# Altium PCB RS2-708_V010.PcbDoc (part 4 of 4) (continued)
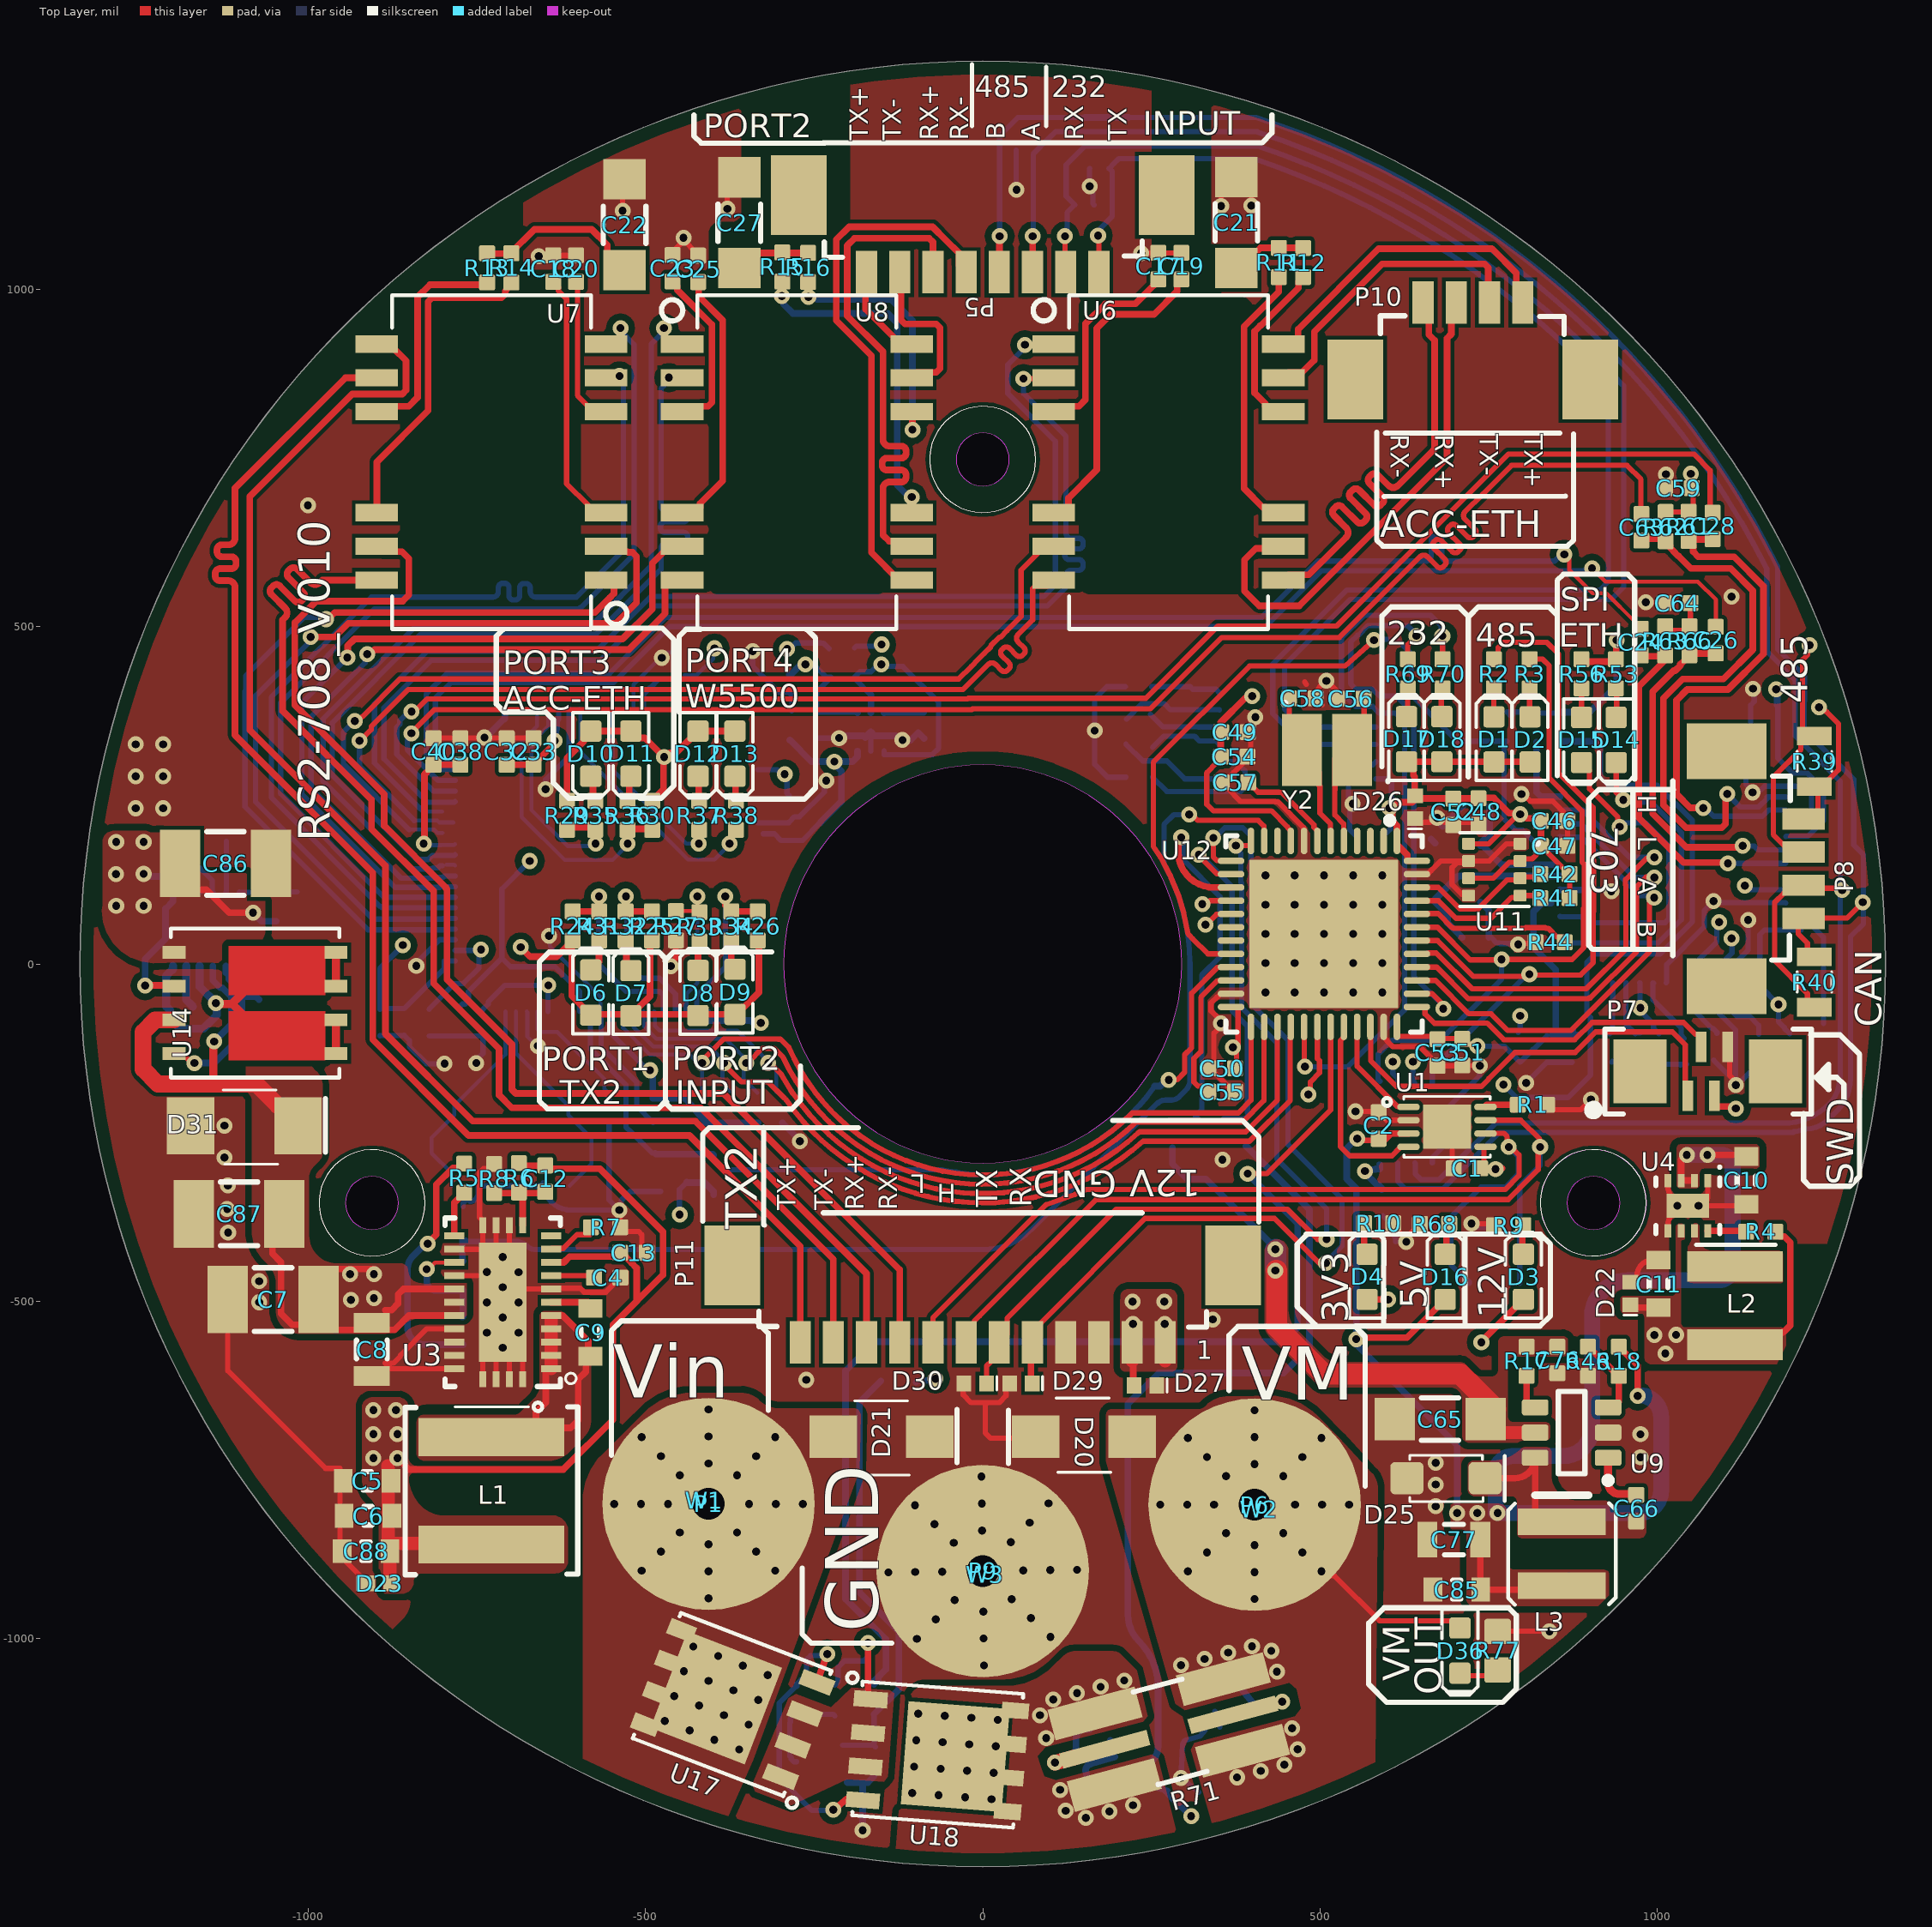
[diagram p0: Top Layer view]
## Polygon pours and split planes (outlines as drawn) (continued)
GND on Top Layer "TOP_GND_3v3-reg" (solid, remove dead copper, pour order 137): 1020.87,-454.3 cw(c1014.77,-454.3) 1014.77,-460.39 981.93,-460.39 ccw(c981.93,-466.21) 976.12,-466.21 976.12,-480.61 cw(c972.08,-480.61) 972.08,-484.65 948.84,-484.65 cw(c948.84,-481.62) 945.8,-481.62 945.8,-459.38 cw(c948.58,-459.38) 948.58,-456.61 962.73,-456.61 ccw(c962.73,-451.05) 968.29,-451.05 968.29,-434.63 cw(c979.4,-434.63) 979.4,-423.51 999.39,-423.51 ccw(c999.39,-415.27) 1007.63,-415.27 1007.59,-406.79 1007.59,-311.57 cw(c1010.84,-311.57) 1010.84,-308.33 1017.1,-308.33 cw(c1017.1,-314.2) 1022.97,-314.2 1022.97,-336.49 ccw(c1027.43,-336.49) 1027.43,-340.95 1063.78,-340.95 ccw(c1063.78,-337.34) 1067.39,-337.34 1067.39,-313.18 cw(c1070.86,-313.17) 1070.85,-309.7 1071.89,-309.7 1079.59,-309.7 cw(c1079.59,-313.09) 1082.98,-313.09 1082.98,-333.93 ccw(c1089.25,-333.93) 1089.25,-340.2 1106.21,-340.2 1148.15,-340.2 cw(c1148.15,-342.64) 1150.6,-342.65 1150.6,-372.89 cw(c1146.85,-372.89) 1146.84,-376.64 1124.74,-376.63 1032.17,-376.63 1030.33,-376.63 ccw(c1030.33,-386.09) 1020.87,-386.09
NetL2_1 on Top Layer "TOP_3v3-SW_LX" (solid, remove dead copper, pour order 135): 1048.77,-473.14 1182.94,-473.14 ccw(c1182.94,-468.42) 1187.66,-468.42 1187.66,-426.95 ccw(c1185.65,-426.95) 1185.65,-424.94 1080.32,-424.94 cw(c1080.36,-407.13) 1062.55,-407.1 1062.55,-387.8 ccw(c1058.93,-387.8) 1058.93,-384.18 1051.82,-384.18 ccw(c1051.82,-387.68) 1048.31,-387.68 1048.39,-392.18 1048.39,-413.96 cw(c1043.78,-413.96) 1047.04,-417.22 ccw(c1053.91,-424.09) 1044.19,-424.09 1044.19,-468.93 ccw(c1048.34,-468.62) 1048.65,-472.77 ccw(c1054.54,-470.99)
NetC9_1 on Top Layer "TOP_12V-SW_Regout" (solid, remove dead copper, pour order 130): -626.94,-514.59 cw(c-626.94,-523.53) -620.62,-517.21 -586.03,-551.8 cw(c-598.97,-564.85) -580.59,-564.77 -580.59,-674.1 cw(c-622.13,-674.02) -592.82,-703.45 -613.26,-723.89 cw(c-643.56,-693.59) -643.56,-736.44 -827.72,-736.44 cw(c-827.72,-724.63) -839.54,-724.63 -839.54,-680.88 cw(c-827.91,-679.93) -835.57,-671.13 cw(c-828.41,-679.09) -827.84,-668.4 -696.83,-668.4 ccw(c-696.83,-650.85) -684.42,-663.26 -664.67,-643.51 ccw(c-683.6,-624.58) -656.83,-624.58 -656.83,-521.44 cw(c-649.98,-521.44) -649.98,-514.59
GND on Top Layer "TOP_GND_12v-regIN-out" (solid, remove dead copper, pour order 128): -826.17,-534.95 -769.77,-534.95 cw(c-769.77,-538.09) -766.63,-538.09 -766.63,-615.38 cw(c-779.64,-615.38) -779.64,-628.39 -913.58,-628.39 ccw(c-913.58,-645.08) -930.27,-645.08 -930.27,-863.85 -930.23,-863.85 -930.23,-875 ccw(c-928.08,-875) -929.6,-876.51 -903.68,-902.44 cw(c-911.97,-910.73) -900.24,-910.73 -900.24,-929.77 cw(c-902.21,-929.77) -902.21,-931.73 -920.07,-931.73 cw(c-920.07,-923.91) -925.61,-929.44 -959.67,-895.37 cw(c-947.1,-882.8) -964.88,-882.8 -964.88,-798.02 ccw(c-1031.3,-798.02) -984.33,-751.05 -1184.81,-550.57 cw(c-1114.1,-479.86) -1214.1,-479.86 -1214.1,-201.75 cw(c-1204.29,-201.75) -1204.29,-191.93 -1166.81,-191.93 ccw(c-1166.81,-168.03) -1149.91,-184.93 cw(c-1129.06,-205.78) -1129.06,-176.3 -1120.84,-176.3 cw(c-1120.84,-190.64) -1110.7,-180.5 cw(c-1120.84,-190.64) -1106.5,-190.64 -1106.5,-398.24 ccw(c-1062.36,-398.24) -1093.57,-429.46 -1067.76,-455.27 cw(c-1084.62,-472.12) -1060.78,-472.12 -1060.78,-529.6 ccw(c-1031.51,-529.6) -1031.51,-558.87 -889.69,-558.87 ccw(c-889.69,-507.1) -853.08,-543.71 cw(c-832.65,-564.14) -832.65,-535.24 -794.9,-535.24
GND on Top Layer "TOP_GND_5VregSingle pointgGND" (solid, remove dead copper, pour order 124): 574.65,-709.34 ccw(c586.46,-709.34) 586.46,-721.16 cw(c586.46,-737.02) 602.32,-737.02 602.32,-938.88 ccw(c616.76,-939.02) 616.62,-953.46 628.4,-953.37 674.91,-953.37 ccw(c674.91,-944.46) 683.83,-944.46 683.83,-650.59 ccw(c668.75,-650.59) 668.75,-635.51 586.22,-635.51 ccw(c586.22,-647.09) 574.65,-647.09
5V on Top Layer "TOP_5Vreg-5vout" (solid, remove dead copper, pour order 127): 690.73,-831.84 ccw(c697.38,-831.84) 697.38,-838.49 710.53,-838.49 cw(c710.53,-845.13) 717.17,-845.13 717.17,-940.12 ccw(c728.89,-940.25) 728.75,-951.96 922.31,-951.96 ccw(c922.31,-945.52) 928.75,-945.52 928.75,-905.03 ccw(c921.85,-905.03) 921.85,-898.12 788,-898.12 cw(c788.01,-887.48) 777.36,-887.48 777.36,-811.83 ccw(c765.82,-811.83) 765.82,-800.29 698.9,-800.29 ccw(c698.9,-808.46) 690.73,-808.46
GND on Top Layer "TOP_GND_5vregin" (solid, remove dead copper, pour order 123): 897.89,-630.39 cw(c903.62,-630.39) 903.62,-624.65 906.55,-624.65 ccw(c906.59,-619.68) 911.57,-619.72 911.57,-598.6 ccw(c906.1,-598.6) 906.1,-593.12 842.57,-593.12 ccw(c842.57,-598.6) 837.1,-598.6 837.1,-618.93 ccw(c842.38,-618.93) 842.38,-624.2 862.12,-624.2 cw(c862.12,-630.85) 868.76,-630.85 868.76,-704.37 ccw(c876.08,-704.37) 876.08,-711.69 933.21,-711.79 949.48,-711.79 cw(c949.48,-719.05) 956.74,-719.05 956.74,-739.28 ccw(c965.55,-739.28) 965.55,-748.09 983.7,-748.09 ccw(c983.71,-737.98) 993.82,-737.98 993.82,-695.46 ccw(c980.07,-695.45) 980.93,-681.74 915.28,-681.74 905.77,-681.74 cw(c905.77,-673.85) 897.89,-673.85
SW_5V on Top Layer "TOP_SW-5V_Reg" (solid, remove dead copper, pour order 121): 783.43,-789.2 cw(c783.43,-798.53) 792.76,-798.53 792.76,-843.89 ccw(c800.47,-844.08) 800.28,-851.79 973.09,-851.79 ccw(c973.09,-841.03) 983.86,-841.03 983.86,-820.04 ccw(c977.4,-820.04) 977.4,-813.59 933.49,-813.59 cw(c933.56,-809.78) 929.75,-809.71 929.75,-801.33 ccw(c923.85,-801.33) 923.85,-795.43 880.16,-795.43 cw(c880.16,-758.51) 854.05,-784.62 cw(c880.16,-758.51) 843.24,-758.51 843.24,-723.99 ccw(c835.7,-723.99) 835.7,-716.46 804.48,-716.46 ccw(c804.48,-726.52) 797.36,-719.4 cw(c756.22,-678.27) 756.22,-736.44 727.56,-736.44 ccw(c727.56,-744.64) 719.37,-744.64 719.37,-778.72 ccw(c729.85,-778.72) 729.85,-789.2
GND on Bottom Layer "TOP_GND-Cu-Pour" (solid, remove dead copper, pour order 162): 369.93,1286.45 347.96,1286.45 ccw(c347.96,1277.44) 338.95,1277.44 338.95,1002.05 ccw(c350.13,1002.05) 350.13,990.88 379.66,990.88 cw(c379.66,968.53) 402.01,968.53 402.01,561.43 cw(c388.44,561.43) 388.44,547.86 158.55,547.86 cw(c158.55,564.63) 141.79,564.63 141.79,973.31 cw(c162.5,973.31) 162.5,994.02 238.62,994.02 ccw(c238.62,1005.28) 249.88,1005.28 249.88,1299.65 ccw(c231.38,1299.89) 231.62,1318.39 ccw(c0,0.01) 0,1338.58 ccw(c0,0.06) -177.47,1326.77 ccw(c-177.47,1308.21) -196.02,1308.21 -196.02,985.48 ccw(c-182.52,985.48) -182.52,971.98 -155.51,971.98 cw(c-155.51,956.23) -139.76,956.23 -139.76,566.18 cw(c-158.51,566.18) -158.51,547.43 -391.79,547.43 cw(c-391.79,562.43) -406.8,562.43 -406.8,1083.08 cw(c-389.37,1083.08) -389.37,1100.51 -372.84,1100.51 ccw(c-372.84,1115.13) -358.22,1115.13 -358.22,1279.74 ccw(c-366,1279.82) -365.92,1287.6 ccw(c-0.01,0.02) -673.72,1156.68 ccw(c-656.28,1139.23) -680.95,1139.23 -680.95,1044.75 ccw(c-665.99,1044.75) -665.99,1029.79 -606.98,1029.79 cw(c-606.98,1018.16) -595.35,1018.16 -595.35,556.91 cw(c-614.46,556.91) -614.46,537.79 -851.32,537.79 cw(c-851.32,551.09) -864.62,551.09 -864.62,1016.49 ccw(c-867.53,1016.46) -867.57,1019.38 ccw(c0,0) -1338.58,0 ccw(c0,0) -889.37,-1000.42 -861.14,-972.19 ccw(c-892.77,-940.55) -848.03,-940.55 -848.03,-679.56 cw(c-818.72,-679.56) -839.45,-658.84 cw(c-825.92,-672.37) -825.92,-653.24 -633.33,-653.24 cw(c-633.33,-673.3) -613.27,-673.3 -613.27,-1165.95 ccw(c-571.33,-1166.69) -601.52,-1195.82 ccw(c0,0) 0,-1338.58 ccw(c0,0) 912.55,-979.31 896.56,-963.32 ccw(c877.53,-982.35) 877.52,-955.43 800.77,-955.43 cw(c800.77,-944.2) 789.53,-944.2 789.53,-808.62 cw(c802.09,-808.62) 802.09,-796.06 1061.43,-796.06 ccw(c1062.02,-767.13) 1082.06,-788 ccw(c0.03,-0.02) 1202.03,-589.01 ccw(c1198.53,-592.51) 1198.53,-587.56 1047.96,-587.56 cw(c1047.96,-579.91) 1040.31,-579.91 1040.31,-422.72 cw(c1048.3,-422.72) 1048.3,-414.74 1248.72,-414.74 ccw(c1249.1,-375.93) 1276.27,-403.64 ccw(c0.02,0) 1338.58,0 ccw(c0,0)
V_IN on Bottom Layer "BTM_VM-IN_PreProtection" (solid, remove dead copper, pour order 138): -688.05,-984.21 -677.29,-991.11 -671.76,-994.33 -669.16,-995.63 -665.04,-996.82 -660.13,-997.55 -650.02,-998.01 -640.74,-998.01 ccw(c-640.72,-938.2) -580.91,-938.22 -580.91,-730.01 cw(c-480.91,-730.01) -480.91,-630.01 -405.86,-630.01 -405.89,-629.96 -346.74,-629.96 cw(c-346.74,-729.96) -246.74,-729.96 -246.74,-852.32 cw(c-346.74,-852.32) -276.03,-923.03 ccw(c-219.05,-980.02) -299.64,-980.02 -299.64,-1058.6 -299.59,-1058.6 -350.73,-1192.03 -384.02,-1283.89 -492.52,-1246.04 -585.01,-1204.67 -685.31,-1152.37 -776.63,-1091.88 -830.88,-1050.12 -896.83,-994.31 -978.4,-917.82 -1062.31,-819.86 -1120.07,-734.78 -1167.29,-656.73 -1228.56,-535.36 -1287.1,-376.91 -1311.3,-279.34 -1334.71,-116.21 -1338.58,0 -1335.89,78.15 -1324.57,198.74 -1324.57,201.08 -1221.15,201.08 cw(c-1221.15,169.08) -1189.14,169.08 -1194.61,122.54 -1197.54,88.17 -1200.38,39.22 -1200.91,-7.33 -1199.63,-51.24 -1195.99,-108.08 -1188.95,-170.37 -1177.98,-233.62 -1165.67,-288.72 -1144.07,-364.41 -1130.14,-405.87 -1114.77,-446.51 -1093.17,-497.22 -1075.59,-534.5 -1055.23,-573.22 -1037.37,-604.72 -1018.76,-636.06 -1008.12,-652.32 -991.8,-676.92 -973.13,-703.19 -956.88,-725.33 -942.97,-743.7 -917.62,-774.87 -901.55,-793.28 -883.55,-813.21 -862.49,-835.51 -834.84,-863.21 -811.43,-885.31 -777.28,-915.8 -747.08,-939.99 -720.45,-960.63 -693.76,-980.28
NetR71_1 on Bottom Layer "BTM_NetR71_1_PWR-FetSwitch" (solid, remove dead copper, pour order 141): 127.68,-1148.29 123.46,-1157.16 111.14,-1161.01 91.89,-1166.02 84.58,-1180.07 88.81,-1198.17 101.33,-1207.79 120.05,-1202.16 135.14,-1205.93 143.63,-1237.09 157.62,-1244.7 224.14,-1227.29 245.24,-1236.15 255.12,-1266.48 249.59,-1280.42 162.24,-1305.37 -110.06,-1283.74 -131.57,-1254.27 -120.69,-1098.39 -120.83,-1098.38 -90.64,-1074.4 11.37,-1081.56 190.2,-1031.64 216.09,-1024.91 226.39,-1032.46 236.56,-1069.11 229.35,-1082.06 128.82,-1111.06 121.91,-1127.12
5V on Bottom Layer "BTM_5V_Reg out" (solid, remove dead copper, pour order 155): 691.89,-813.06 691.89,-829.5 ccw(c702.21,-829.5) 702.21,-839.82 774.48,-839.82 ccw(c774.48,-829.08) 785.23,-829.08 785.23,-797.47 ccw(c777.22,-797.47) 777.22,-789.46 701.58,-789.46 ccw(c701.58,-798.95) 692.1,-798.95
12V on Bottom Layer "BTM_12V_RegOUT" (solid, remove dead copper, pour order 151): 206.51,-550.33 cw(c206.51,-524.47) 188.23,-542.75 186.27,-540.79 ccw(c170,-557.06) 170,-534.06 -439.29,-534.06 ccw(c-439.29,-564.94) -461.12,-543.1 -597.36,-679.34 cw(c-617,-660.2) -616.65,-687.62 -834.02,-687.62 ccw(c-834.02,-700.96) -847.36,-700.96 -847.36,-736.98 cw(c-862.4,-736.98) -862.4,-752.03 -902.84,-752.03 cw(c-902.84,-735.34) -919.53,-735.34 -919.53,-660.98 cw(c-903.22,-660.66) -919.53,-660.61 cw(c-898.28,-660.49) -898.4,-639.23 -634.77,-639.23 ccw(c-634.77,-624.4) -624.28,-634.89 -496.29,-506.9 cw(c-442.49,-560.69) -442.49,-484.62 275.26,-484.62 cw(c275.63,-498.06) 289.08,-497.7 289.08,-541.05 cw(c279.84,-541.1) 279.89,-550.33
Vm_708 on Bottom Layer "BTM_VM-708_5vRewgin" (solid, remove dead copper, pour order 149): -542.16,-537.27 -496.27,-491.38 cw(c-448.87,-538.77) -448.87,-471.75 440.63,-471.75 ccw(c440.56,-458.15) 454.15,-458.09 454.15,-406.87 ccw(c447.23,-406.87) 447.23,-399.94 419.15,-399.94 ccw(c419.15,-407.24) 411.85,-407.24 411.85,-418.68 cw(c396.66,-418.68) 396.66,-433.87 -456.52,-433.87 ccw(c-456.52,-517.51) -515.67,-458.37 -644.35,-587.05 cw(c-655.96,-574.44) -656.67,-591.57 -839.2,-591.57 cw(c-839.2,-581.95) -846,-588.75 -855.47,-579.28 -870.1,-564.66 cw(c-839.62,-534.18) -882.72,-534.18 -882.72,-474.9 cw(c-868.37,-473.68) -882.77,-473.81 -882.77,-460.72 ccw(c-902.35,-460.88) -902.52,-441.3 -939.29,-441.3 ccw(c-939.29,-459.93) -957.93,-459.93 -957.93,-510.59 ccw(c-926.27,-510.59) -948.65,-532.97 -868.19,-613.44 ccw(c-841.36,-586.65) -841.38,-624.56 -637.75,-624.56 ccw(c-637.75,-604.52) -623.58,-618.69 -604.88,-599.99
Vm_OUT on Bottom Layer "TOP_USB_5V" (solid, remove dead copper, pour order 142): 289.84,-631.08 ccw(c289.84,-683.98) 236.94,-683.98 236.94,-950.42 ccw(c308.49,-950.57) 257.79,-1001.06 261.28,-1004.54 cw(c240.23,-1025.59) 269.99,-1025.59 269.73,-1025.52 279.28,-1058.71 292.95,-1067.44 392.5,-1040.37 408.21,-1049.39 414.21,-1073.23 422.11,-1079.25 451.68,-1071.35 461.85,-1076.43 468.06,-1098.08 466.74,-1109.95 435.48,-1117.48 428.52,-1131.41 434.54,-1154.01 430.96,-1161.73 360.35,-1182.25 349.54,-1199.6 362.56,-1244.64 376.24,-1251.98 479,-1222.62 525.73,-1207.39 577.13,-1184.99 ccw(c576.67,-1178.56) 583.1,-1178.1 583.1,-731.08 ccw(c483.1,-731.08) 483.1,-631.08
3V3 on Layer 2 "TOP_GND-Cu-Pour" (solid, remove dead copper, pour order 161): 369.93,1286.45 347.96,1286.45 ccw(c347.96,1277.44) 338.95,1277.44 338.95,1002.05 ccw(c350.13,1002.05) 350.13,990.88 379.66,990.88 cw(c379.66,968.53) 402.01,968.53 402.01,561.43 cw(c388.44,561.43) 388.44,547.86 158.55,547.86 cw(c158.55,564.63) 141.79,564.63 141.79,973.31 cw(c162.5,973.31) 162.5,994.02 238.62,994.02 ccw(c238.62,1005.28) 249.88,1005.28 249.88,1299.65 ccw(c231.38,1299.89) 231.62,1318.39 ccw(c0,0.01) 0,1338.58 ccw(c0,0.06) -177.47,1326.77 ccw(c-177.47,1308.21) -196.02,1308.21 -196.02,985.48 ccw(c-182.52,985.48) -182.52,971.98 -155.51,971.98 cw(c-155.51,956.23) -139.76,956.23 -139.76,566.18 cw(c-158.51,566.18) -158.51,547.43 -391.79,547.43 cw(c-391.79,562.43) -406.8,562.43 -406.8,1083.08 cw(c-389.37,1083.08) -389.37,1100.51 -372.84,1100.51 ccw(c-372.84,1115.13) -358.22,1115.13 -358.22,1279.74 ccw(c-366,1279.82) -365.92,1287.6 ccw(c-0.01,0.02) -673.72,1156.68 ccw(c-656.28,1139.23) -680.95,1139.23 -680.95,1044.75 ccw(c-665.99,1044.75) -665.99,1029.79 -606.98,1029.79 cw(c-606.98,1018.16) -595.35,1018.16 -595.35,556.91 cw(c-614.46,556.91) -614.46,537.79 -851.32,537.79 cw(c-851.32,551.09) -864.62,551.09 -864.62,1016.49 ccw(c-867.53,1016.46) -867.57,1019.38 ccw(c0,0) -1338.58,0 ccw(c0,0) -889.37,-1000.42 -861.14,-972.19 ccw(c-892.77,-940.55) -848.03,-940.55 -848.03,-679.56 cw(c-818.72,-679.56) -839.45,-658.84 cw(c-825.92,-672.37) -825.92,-653.24 -633.33,-653.24 cw(c-633.33,-673.3) -613.27,-673.3 -613.27,-1165.95 ccw(c-571.33,-1166.69) -601.52,-1195.82 ccw(c0,0) 0,-1338.58 ccw(c0,0) 912.55,-979.31 896.56,-963.32 ccw(c877.53,-982.35) 877.52,-955.43 800.77,-955.43 cw(c800.77,-944.2) 789.53,-944.2 789.53,-808.62 cw(c802.09,-808.62) 802.09,-796.06 1061.43,-796.06 ccw(c1062.02,-767.13) 1082.06,-788 ccw(c0.03,-0.02) 1202.03,-589.01 ccw(c1198.53,-592.51) 1198.53,-587.56 1047.96,-587.56 cw(c1047.96,-579.91) 1040.31,-579.91 1040.31,-422.72 cw(c1048.3,-422.72) 1048.3,-414.74 1248.72,-414.74 ccw(c1249.1,-375.93) 1276.27,-403.64 ccw(c0.02,0) 1338.58,0 ccw(c0,0)
3V3A on Layer 2 "LAYER2_3v3A_W5500" (solid, remove dead copper, pour order 62): 1035,307.98 1041,313.98 1196.29,313.73 1213.19,296.82 1213.19,-79.81 1189,-104 768,-104 744,-80 744,49 744,169 785,210 1010,210 1035,235
GND on Layer 1 "TOP_GND-Cu-Pour" (solid, remove dead copper, pour order 160): 369.93,1286.45 347.96,1286.45 ccw(c347.96,1277.44) 338.95,1277.44 338.95,1002.05 ccw(c350.13,1002.05) 350.13,990.88 379.66,990.88 cw(c379.66,968.53) 402.01,968.53 402.01,561.43 cw(c388.44,561.43) 388.44,547.86 158.55,547.86 cw(c158.55,564.63) 141.79,564.63 141.79,973.31 cw(c162.5,973.31) 162.5,994.02 238.62,994.02 ccw(c238.62,1005.28) 249.88,1005.28 249.88,1299.65 ccw(c231.38,1299.89) 231.62,1318.39 ccw(c0,0.01) 0,1338.58 ccw(c0,0.06) -177.47,1326.77 ccw(c-177.47,1308.21) -196.02,1308.21 -196.02,985.48 ccw(c-182.52,985.48) -182.52,971.98 -155.51,971.98 cw(c-155.51,956.23) -139.76,956.23 -139.76,566.18 cw(c-158.51,566.18) -158.51,547.43 -391.79,547.43 cw(c-391.79,562.43) -406.8,562.43 -406.8,1083.08 cw(c-389.37,1083.08) -389.37,1100.51 -372.84,1100.51 ccw(c-372.84,1115.13) -358.22,1115.13 -358.22,1279.74 ccw(c-366,1279.82) -365.92,1287.6 ccw(c-0.01,0.02) -673.72,1156.68 ccw(c-656.28,1139.23) -680.95,1139.23 -680.95,1044.75 ccw(c-665.99,1044.75) -665.99,1029.79 -606.98,1029.79 cw(c-606.98,1018.16) -595.35,1018.16 -595.35,556.91 cw(c-614.46,556.91) -614.46,537.79 -851.32,537.79 cw(c-851.32,551.09) -864.62,551.09 -864.62,1016.49 ccw(c-867.53,1016.46) -867.57,1019.38 ccw(c0,0) -1338.58,0 ccw(c0,0) -889.37,-1000.42 -861.14,-972.19 ccw(c-892.77,-940.55) -848.03,-940.55 -848.03,-679.56 cw(c-818.72,-679.56) -839.45,-658.84 cw(c-825.92,-672.37) -825.92,-653.24 -633.33,-653.24 cw(c-633.33,-673.3) -613.27,-673.3 -613.27,-1165.95 ccw(c-571.33,-1166.69) -601.52,-1195.82 ccw(c0,0) 0,-1338.58 ccw(c0,0) 912.55,-979.31 896.56,-963.32 ccw(c877.53,-982.35) 877.52,-955.43 800.77,-955.43 cw(c800.77,-944.2) 789.53,-944.2 789.53,-808.62 cw(c802.09,-808.62) 802.09,-796.06 1061.43,-796.06 ccw(c1062.02,-767.13) 1082.06,-788 ccw(c0.03,-0.02) 1202.03,-589.01 ccw(c1198.53,-592.51) 1198.53,-587.56 1047.96,-587.56 cw(c1047.96,-579.91) 1040.31,-579.91 1040.31,-422.72 cw(c1048.3,-422.72) 1048.3,-414.74 1248.72,-414.74 ccw(c1249.1,-375.93) 1276.27,-403.64 ccw(c0.02,0) 1338.58,0 ccw(c0,0)

## Keep-outs
Keep-Out Layer:
  circle w0.5: c905.51,-354.33 r78.74
  circle w0.5: c-905.51,-354.33 r78.74
  circle w0.5: c0,748.03 r78.74

## Silkscreen, mask and mechanical layers (free items; w line width, h text height)
Top Overlay:
  circle w0.5: c905.3,-354.12 r78.74
  circle w0.5: c0,748.03 r78.74
  circle w0.5: c-905.51,-354.33 r78.74
  lines w5.91: -15.97,1242 -15.97,1334 ; 94.03,1242 94.03,1330
  lines w7.87: -711.86,495.38 -721.29,485.94 -721.29,385.38 -709.53,373.62 -648.08,373.62 -636.8,362.35 -636.8,268.36 -613.87,245.43 -593.94,245.43 ; -576.39,497.95 -475.21,497.95 -458.06,480.8 -458.06,264.4 -476.65,245.81 -507.86,245.81 ; -550.77,-728.2 -550.77,-544.08 -535.99,-529.3 -336.25,-529.3 -318.09,-547.46 -318.09,-661.9 ; -503.96,17.42 -479.83,17.42 -470.48,8.06 -470.48,-204.09 -481.26,-214.87 -645.81,-214.87 -657.52,-203.16 -657.52,3.1 -643.2,17.42 -502.76,17.42 ; -470.88,4.11 -470.88,5.29 -458.21,17.96 -312.94,17.96 ; -468.5,-204.89 -468.5,-208.05 -461.38,-215.18 -283.26,-215.18 -270.2,-202.11 -270.2,-151.45 ; -450.1,373.43 -450.1,485.83 -440.8,495.12 ; -440.13,496.16 -418.77,496.16 ; -428.66,1228.16 -417.53,1217.03 -234.4,1217.03 ; -428.15,1227.66 -428.15,1258.52 ; -415.34,-381.54 -415.34,-252.63 -405.48,-242.76 -184.3,-242.76 ; -370.01,244.48 -264.35,244.48 -247.97,260.87 -247.97,483.26 -260.71,496 -262.04,496 ; -324.7,-242.47 -324.7,-386.34 -323.76,-387.28 ; -267.49,-895.99 -267.49,-993.8 -254.35,-1006.94 -134.64,-1006.94 ; 192.5,-231.91 384.78,-231.91 409.59,-256.72 409.59,-382.32 ; 213.77,1217.43 413.93,1217.43 428.86,1232.36 428.86,1258.83 ; 365.31,-632.29 365.31,-550.7 378.38,-537.64 552.27,-537.64 567.12,-552.49 567.12,-773.98 ; 479.66,-400.73 826.94,-400.73 841.84,-415.63 841.84,-521.63 826.51,-536.96 552.57,-536.96 ; 480.53,-401.54 466.34,-415.73 466.34,-508.04 493.26,-534.96 493.26,-537.62 ; 584.13,788.12 584.13,628.73 593.51,619.34 866.96,619.34 876.19,628.57 876.19,785.84 ; 592.09,292.27 592.09,515.85 605.65,529.41 706.06,529.41 719.98,515.49 719.98,277.54 ; 594.56,-535.62 594.56,-408.43 ; 595.54,693.06 863.85,693.55 ; 600.76,270.11 600.76,271.93 ; 715.35,-534.58 715.35,-404.09 ; 721.89,516.26 734.85,529.22 839.82,529.22 851.83,517.21 ; 851.83,279.27 851.83,568.52 861.06,577.75 956.43,577.75 966.7,567.48 966.7,274.03 ; 962.93,23.18 964.19,24.44 964.19,257.49 ; 1021.61,21.49 904.67,21.49 898.76,27.4 898.76,243.56 913.53,258.33 1024.14,258.33 ; 1217.17,-222.04 1217.17,-320.43 1226.4,-329.66 1285.58,-329.66 1300.19,-315.05 1300.19,-134.03 1271.35,-105.19 1227.72,-105.19 ; 1235.99,-168.3 1241.68,-168.3 1249.11,-160.87 1249.11,-174.43 1248.67,-174.86 1247.8,-174.86 1242.11,-169.18 ; 1240.25,-168.05 1266.47,-168.05 1277.06,-178.63 1277.06,-204.02 ; 572.4,-1068.13 572.4,-977.52 595.26,-954.66 780.03,-954.66 791.28,-965.91 791.28,-1074.69 771.02,-1094.95 599.22,-1094.95 572.4,-1068.13 ; 1235.58,-167.9 1253.92,-186.24 1254.8,-186.24 1254.36,-185.8 1254.36,-149.12 1235.58,-167.9
  text "485" at -12,1285 h31.5
  text "232" at 102,1285 h31.5
  text "INPUT" at 237.52,1229.07 h35.43
  text "PORT2" at -414.21,1225.52 h35.43
  text "B" at 33,1222 h27.56 r90
  text "TX+" at -170,1221.05 h27.56 r90
  text "TX-" at -121,1221.05 h27.56 r90
  text "RX+" at -66,1221.05 h27.56 r90
  text "RX-" at -21,1221.05 h27.56 r90
  text "A" at 85,1221.05 h27.56 r90
  text "RX" at 149,1221.05 h27.56 r90
  text "TX" at 213,1221.05 h27.56 r90
  text "RX-" at 605.15,785.38 h27.56 r270
  text "RX+" at 671.2,785.38 h27.56 r270
  text "TX-" at 737.25,785.38 h27.56 r270
  text "TX+" at 803.31,785.38 h27.56 r270
  text "ACC-ETH" at 589.14,632.61 h39.37
  text "SPI" at 856.12,523.32 h35.43
  text "232" at 599.01,473.28 h35.43
  text "485" at 730.66,469.91 h35.43
  text "ETH" at 854.16,470.32 h35.43
  text "485" at 1223.21,386.01 h39.37 r90
  text "PORT4 / W5500" at -441.77,379.62 h35.43
  text "PORT3 / ACC-ETH" at -712.03,376.42 h35.43
  text "H" at 971.98,250.7 h27.56 r270
  text "703" at 902.44,204.25 h39.37 r270
  text "L" at 971.98,190.05 h27.56 r270
  text "RS2-708_V010" at -967.83,181.47 h47.24 r90
  text "A" at 971.98,128.23 h27.56 r270
  text "B" at 971.1,63.81 h27.56 r270
  text "CAN" at 1332.74,-93.64 h39.37 r90
  text "PORT1" at -653.62,-158.25 h35.43
  text "PORT2" at -460.65,-157.53 h35.43
  text "TX2" at -627.03,-207.65 h35.43
  text "INPUT" at -455.28,-207.65 h35.43
  text "12V" at 323.59,-305.41 h39.37 r180
  text "GND" at 198.73,-306.72 h39.37 r180
  text "L" at -84.94,-312.56 h27.56 r180
  text "SWD" at 1290.96,-328.12 h39.37 r90
  text "H" at -67.92,-354.04 h27.56
  text "TX" at 22.17,-360.99 h31.5 r90
  text "RX" at 72.24,-360.99 h31.5 r90
  text "TX+" at -277.6,-365.39 h27.56 r90
  text "TX-" at -222.32,-365.39 h27.56 r90
  text "RX+" at -176.24,-365.39 h27.56 r90
  text "RX-" at -126.88,-365.39 h27.56 r90
  text "TX2" at -334.99,-393.28 h47.24 r90
  text "5V" at 658.2,-511.46 h39.37 r90
  text "12V" at 774.2,-525.66 h39.37 r90
  text "3V3" at 542.19,-532.15 h39.37 r90
  text "Vin" at -547.81,-643.32 h78.74
  text "VM" at 383.92,-646.6 h78.74
  text "GND" at -154.61,-991.12 h78.74 r90
  text "VM" at 632.89,-1063.23 h39.37 r90
  text "OUT" at 680.07,-1083.89 h39.37 r90
Bottom Overlay:
  drawing of 165 lines, arcs and shapes, not listed
  text "RS2-708_V009_20211101" at 739,815 h39.37
  text "VM-ALWAYS ON" at 69.01,-551.77 h31.5
  text "12V-ALWAYS-ON" at -683.33,-679.21 h31.5
  text "GND" at 127.87,-736.86 h78.74
  text "Vin" at -296.43,-741.36 h78.74
  text "VM" at 493.71,-746.01 h78.74
Top Paste:
  rectangle: -391.78,-994.17 -353.77,-967.23
  rectangle: -513.32,-967.9 -475.31,-940.96
  rectangle: -557.49,-967.9 -519.48,-940.96
  rectangle: -512.92,-1005.39 -474.91,-978.45
  rectangle: -557.49,-1005.39 -519.48,-978.45
  rectangle: -539.99,-1053.98 -501.98,-1027.05
  rectangle: -552.07,-1101.88 -514.06,-1074.95
  rectangle: 523.17,-1064.57 561.18,-1037.63
  rectangle: 470.76,-990.69 508.77,-963.76
  rectangle: 518.88,-990.69 556.89,-963.76
  rectangle: 421.47,-990.69 459.48,-963.76
  rectangle: 523.17,-1027.63 561.18,-1000.7
  rectangle: 480.16,-1027.63 518.17,-1000.7
  rectangle: 480.16,-1064.57 518.17,-1037.63
  rectangle: 523.17,-1103.35 561.18,-1076.41
  rectangle: 480.16,-1103.35 518.17,-1076.41
  rectangle: 502.15,-1143.28 540.16,-1116.34
  region: -232.27,-1115.55 -238.42,-1137.76 -200.5,-1122.59 -197.46,-1101.28
  region: -249.6,-1158.32 -255.76,-1180.52 -203.55,-1159.64 -200.48,-1138.17
  region: -262.44,-1204.74 -268.59,-1226.94 -209.24,-1203.2 -206.17,-1181.66
Top Solder:
  region: -521.58,-1137.03 -561.96,-1120.31 -568.49,-787.82 -315.96,-915.13 -344.11,-998.33 ccw(c-325.4,-1017.04) -351.86,-1017.04 -351.86,-1018.32
  region: 453.88,-1178.23 545.17,-1155.67 ccw(c545.17,-1137.98) 562.87,-1137.98 562.87,-821.04 ccw(c559.08,-821.04) 559.07,-817.25 456.06,-817.25 ccw(c456.06,-853.91) 419.41,-853.91 ccw(c401.44,-892.9) 362.44,-874.94 401.4,-1027.7 ccw(c418.14,-1027.7) 405.68,-1038.89 432.59,-1068.86 460.38,-1061.41 471.57,-1072.6 479.32,-1105.09 471.85,-1117.36 444.03,-1123.24
  region: 58.45,-1274.48 134,-1262.9 120.08,-1209.9 101.19,-1215.39 87.28,-1210.38 75.8,-1174.1 90.54,-1159.66 111.64,-1154.47 97.23,-1107.75 97.23,-1101.01 71.18,-1092.12 41.08,-1091.83 25.45,-1242.64
  region: -273.98,-1236.94 -203.85,-1203.17 -146.64,-1206.83 -136.77,-1081.69 -195.54,-1079.49 -226.21,-1108.55 -283.89,-1086.85 -327.59,-1209.93
Mechanical 1:
  circle w0.5: c0,748.03 r39.37
  circle w0.5: c-905.51,-354.33 r39.37
  circle w0.5: c905.51,-354.33 r39.37
  pour cut-out: -944.88,-354.33 ccw(c-905.51,-354.33) -905.51,-393.7 ccw(c-905.51,-354.33) -866.14,-354.33 ccw(c-905.51,-354.33) -905.51,-314.96 ccw(c-905.51,-354.33)
  lines w0.5: -628.18,860.73 ccw(c-476.88,497.26) -749.39,781.41 ccw(c0,0) 749.39,781.41 ccw(c476.88,497.26) 628.17,860.73
  lines w0.51: -628.18,860.74 ccw(c-762.05,1161.42) -432.91,1161.42 ; -414,1181.1 413.99,1181.1 ; 432.91,1161.42 ccw(c762.05,1161.42) 628.18,860.74
Mechanical 2:
  circle w1.97: c0,0 r295.28
  circle w1.97: c0,0 r1338.58
  circle w0.5: c905.51,-354.33 r39.37
  circle w0.5: c-905.51,-354.33 r39.37
  circle w0.5: c0,748.03 r39.37
Mechanical 4:
  circle w0.39: c0,0 r905.51
Top Assembly:
  lines w7.87: -65.63,-756.14 -65.63,-646.01 ; 66.7,-755.52 66.7,-643.24
  text "ASSEMBLY TOP" at -492,1438 h78.74
Bottom Assembly:
  circle w7.87: c96.13,1114.22 r8.54
  circle w7.87: c808.32,-486.46 r8.54
  text "ASSEMBLY BOTTOM" at 612,1445 h78.74

## Text inside footprints (layer, text, board x,y; h text height)
P11: Top Overlay "1" at 317,-585.94 h27.56; Mechanical 1 "Keep Clear" at -134,-281.94 h27.56
U6: Top Assembly "*" at 85.59,947.09 h50; Mechanical 13 "*" at 135.59,933.59 h50
U7: Top Assembly "*" at -538.35,541.09 h50 r180; Mechanical 13 "*" at -588.35,554.59 h50 r180
U8: Top Assembly "*" at -465.59,947.09 h50; Mechanical 13 "*" at -415.59,933.59 h50